# Altium PCB Mod_01.PcbDoc
Units mil, origin at the board's own origin, x right, y up, seen from the top; angles counter-clockwise.
Board outline 2900 x 2940 mil, 2 copper layers (Top Layer, Bottom Layer); 11 components, 8 nets, 73 pads, 4 vias.
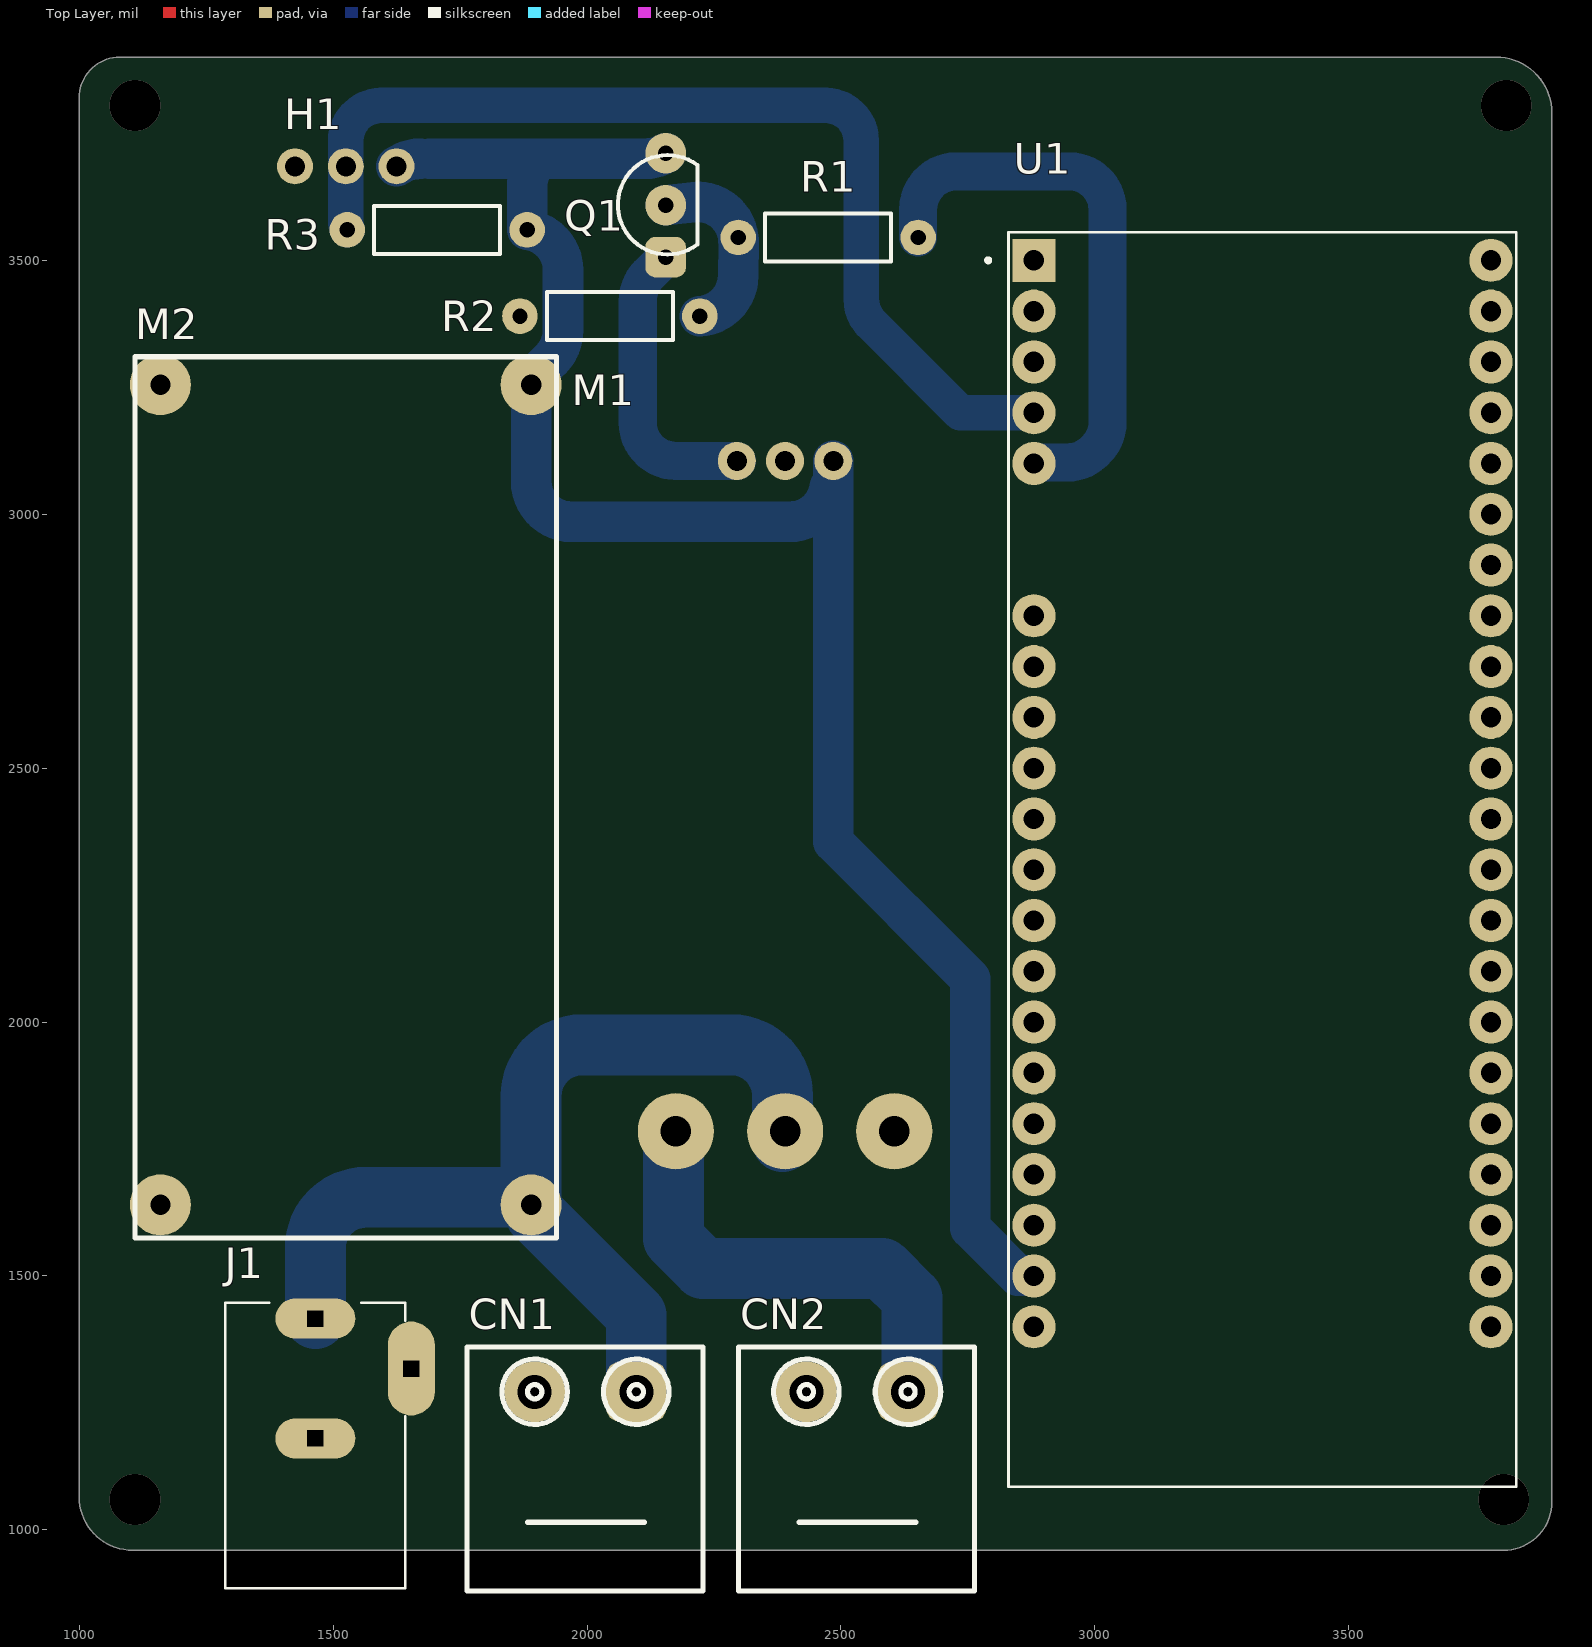
[diagram p0: Top Layer view]
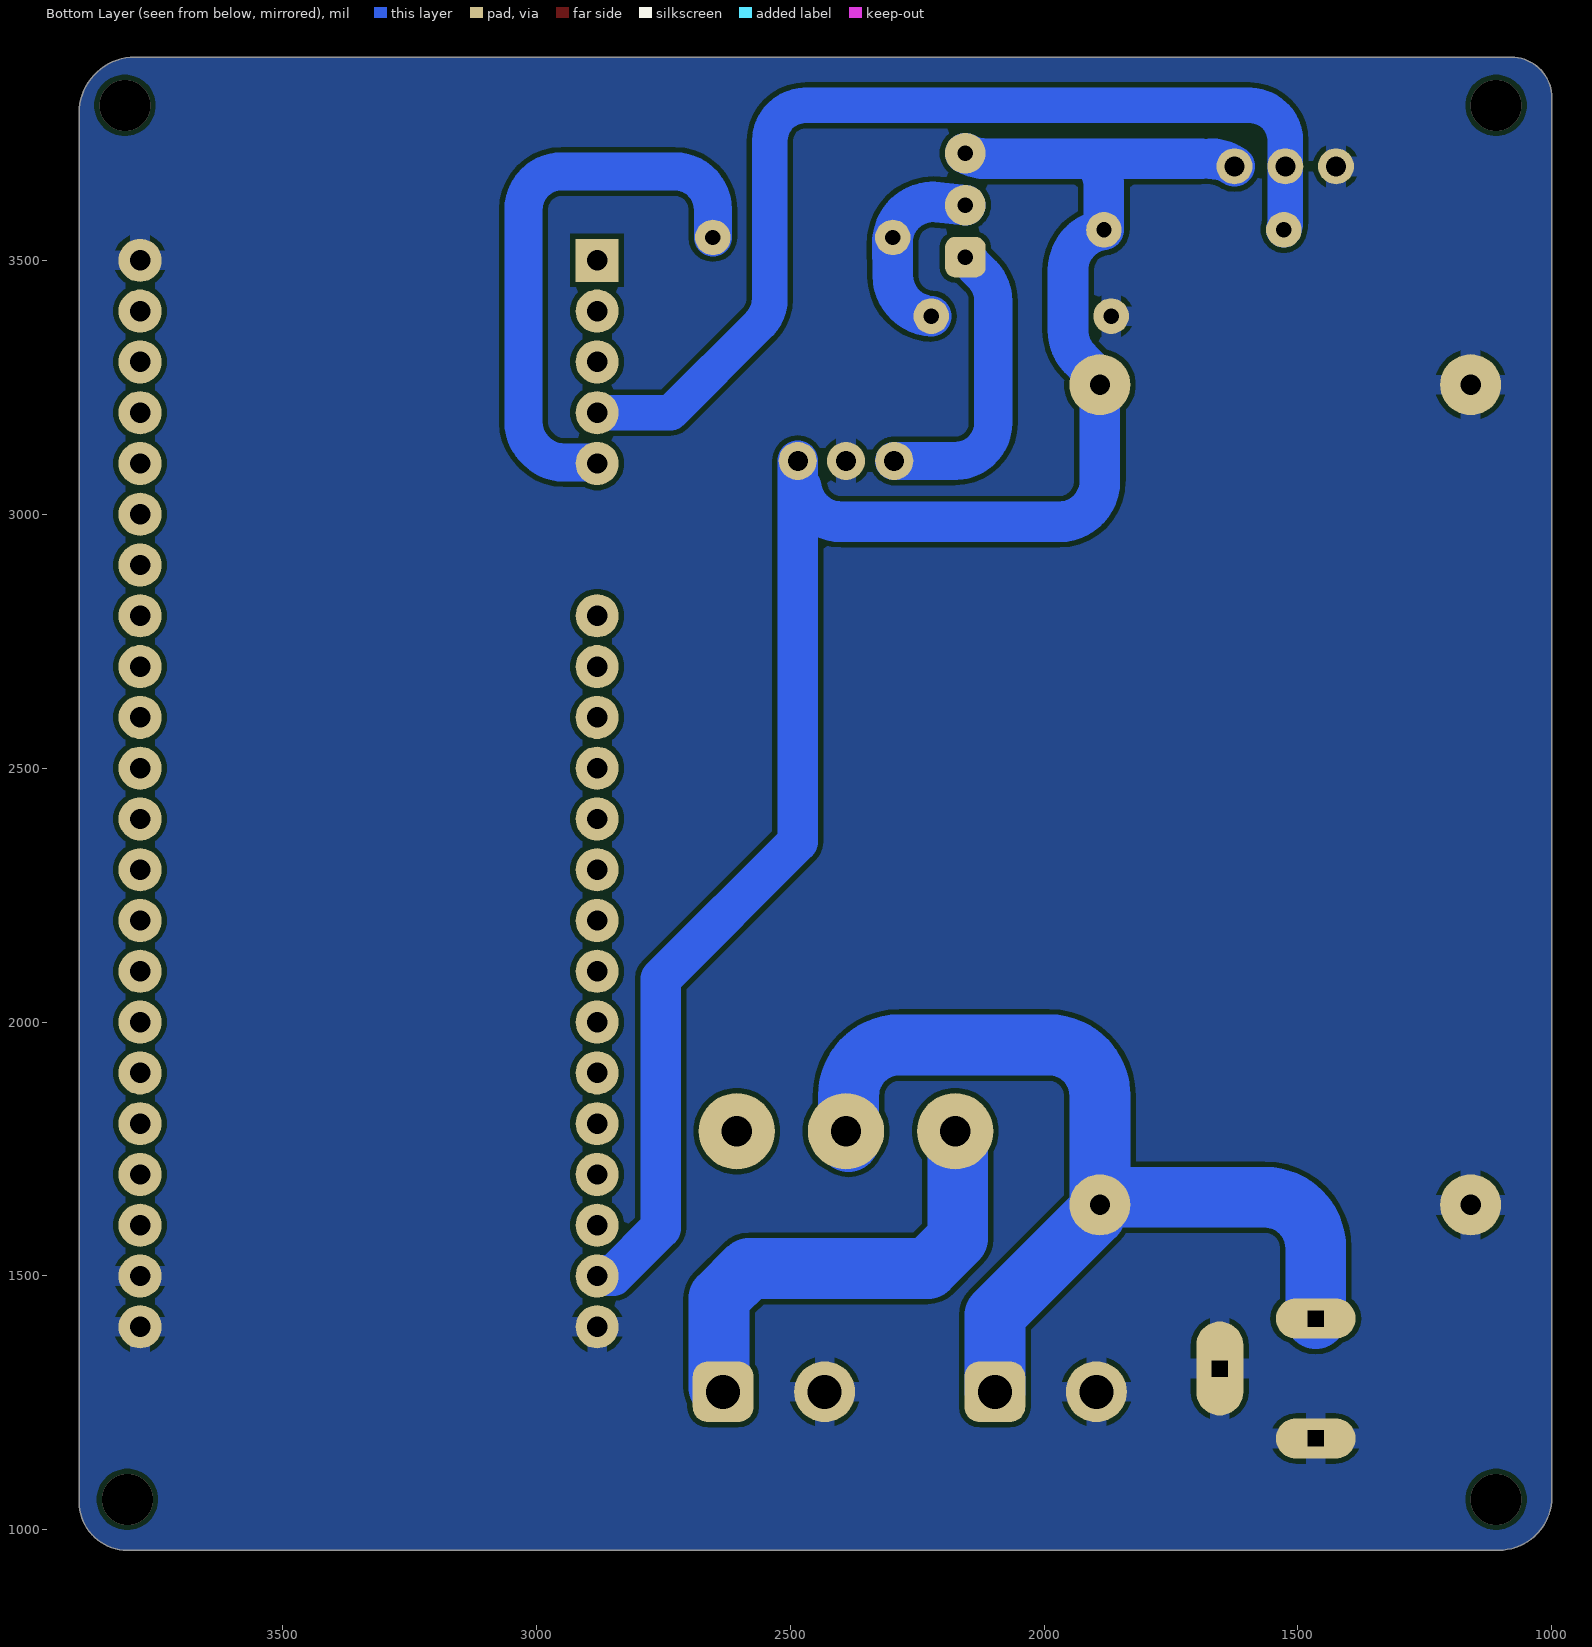
[diagram p1: Bottom Layer view, seen from below]
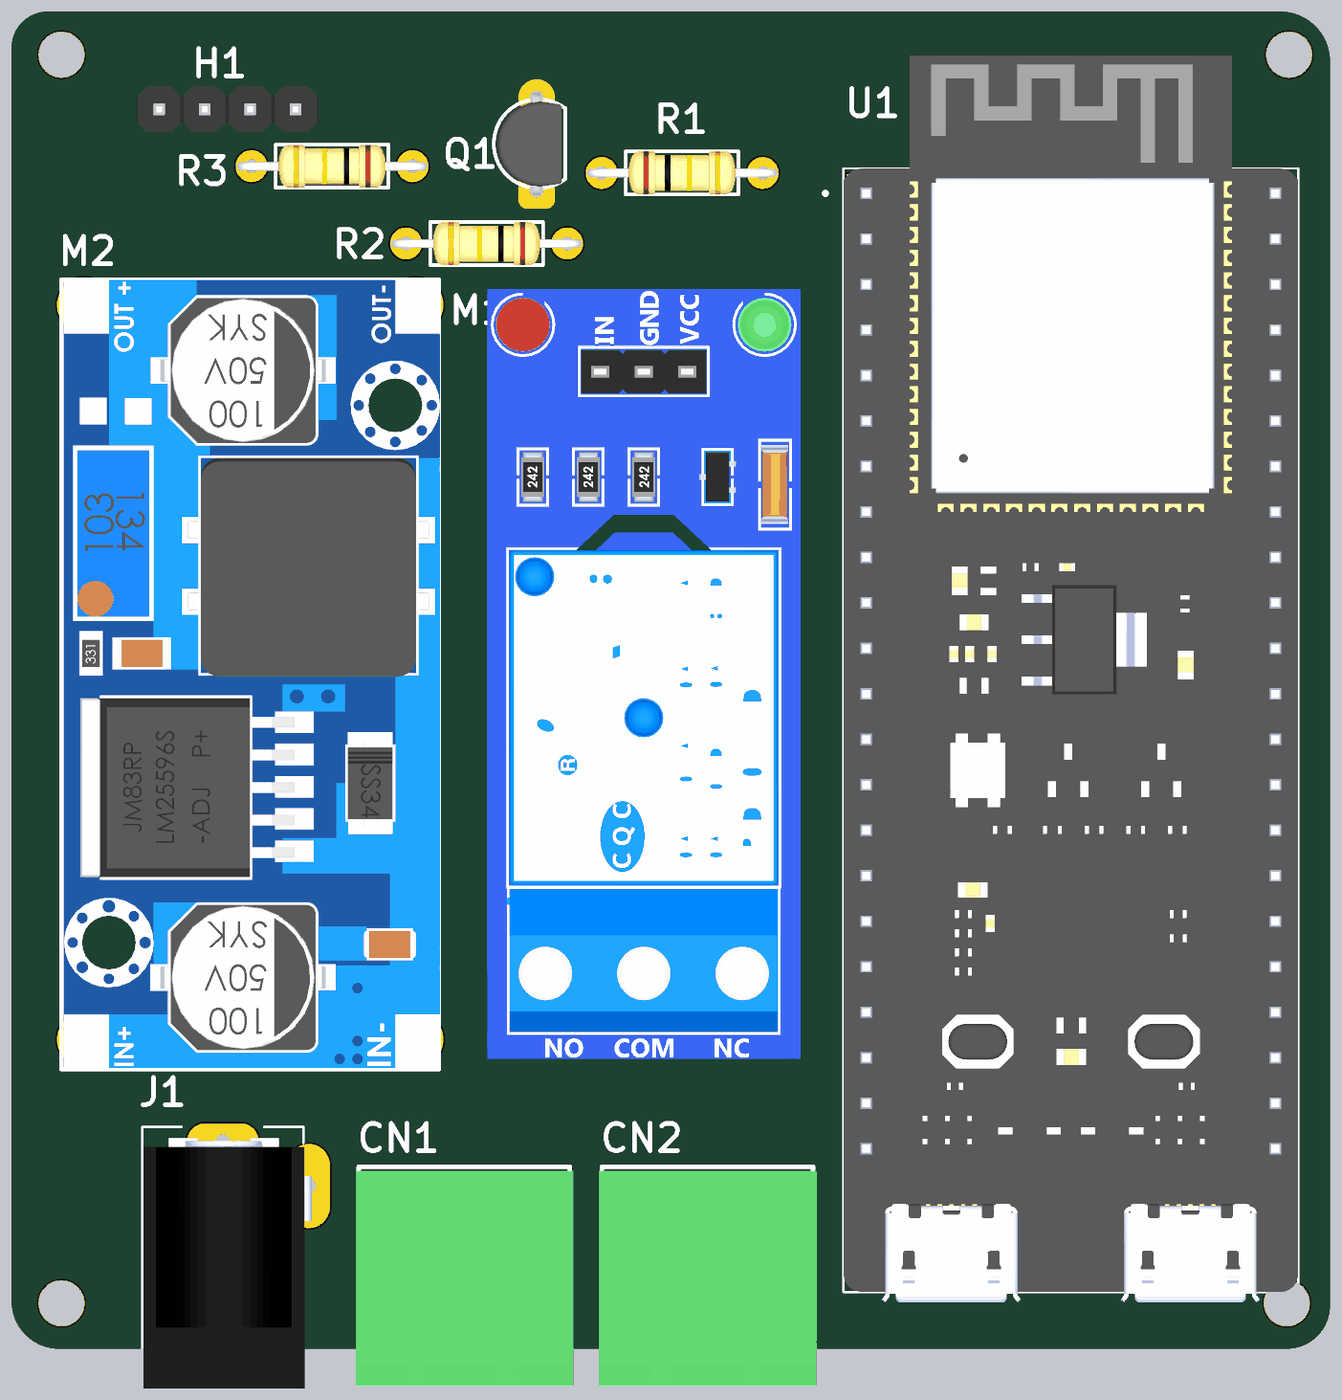
[diagram p2: 3D render of the assembled board from above, using the file's embedded part models]

## Layer stack, top to bottom
Top Solder: solder mask 0.4, Solder Resist, Dk 3.5
Top Layer: signal copper 1.4
Dielectric 1: dielectric 12.6, FR-4, Dk 4.8
Bottom Layer: signal copper 1.4
Bottom Solder: solder mask 0.4, Solder Resist, Dk 3.5

## Board outline
1105,960 3805,960 ccw(c3805,1055) 3900,1055 3900,3790 ccw(c3790,3790) 3790,3900 1080,3900 ccw(c1080,3820) 1000,3820 1000,1065 ccw(c1105,1065)

## Design rules (kind name [scope] priority, off if disabled: settings)
Clearance GND [InNamedPolygon('GND_1')] p1: gap=10 ignorepadtopadclearanceinfootprint=FALSE
Clearance [All] p2: gap=10 ignorepadtopadclearanceinfootprint=FALSE
PolygonConnect GND_3 [All vs IsNamedPolygon('GND_1')] p1: connectstyle=Relief reliefconductorwidth=40 reliefentries=4 polygonreliefangle="90 Angle" airgapwidth=10
PolygonConnect GND_2 [All] p2: connectstyle=Relief reliefconductorwidth=40 reliefentries=4 polygonreliefangle="90 Angle" airgapwidth=10
PolygonConnect GND_ [All vs IsNamedPolygon('GND_1')] p3: connectstyle=Relief reliefconductorwidth=10 reliefentries=4 polygonreliefangle="90 Angle" airgapwidth=10
PolygonConnect GND_1 [All vs IsNamedPolygon('GND_1')] p4: connectstyle=Relief reliefconductorwidth=40 reliefentries=4 polygonreliefangle="90 Angle" airgapwidth=10
PolygonConnect [All] p5: connectstyle=Relief reliefconductorwidth=10 reliefentries=4 polygonreliefangle="90 Angle" airgapwidth=10
RoutingVias [All] p1: holewidth=28 width=50 viastyle="Through Hole" minholewidth=28 minwidth=50 maxholewidth=28 maxwidth=50
SolderMaskExpansion [All] p1: expansion=4 istentingtop=FALSE
SupplyNets "Schematic Supply Nets_3" [InNet('+5')] p1: voltage=0.000
SupplyNets "Schematic Supply Nets_1" [InNet('+12')] p2: voltage=0.000
SupplyNets "Schematic Supply Nets" [InNet('GND')] p3: voltage=0.000
Width [All] p1: maxlimit=150 minlimit=10 preferedwidth=78 minimp=50.000000 maximp=50.000000 favimp=50.000000
30 further rules are at their usual default settings.

## Components (designator, comment, footprint, x,y, rotation, side; value= is the part's Value field where it differs from the comment)
CN1 "WJ2EDGRC-5.08-2P" "Terminal Block P5.08-2P" 1995,1115 r0 top
CN2 "WJ2EDGRC-5.08-2P" "Terminal Block P5.08-2P" 2530,1115 r0 top
H1 "Header 1x3" "Header 1x3 male" 1525,3685 r180 top
J1 "DC-005" NINIGI_DC-005 1465,1317.8 r90 top
M1 "Relay Mod" "Relay Mod1" 2735,3290 r270 top
M2 "LM2596" "LM2596 Mod" 1110,1585 r270 top
Q1 "2N2222" FP-JAN2N2222A-MFG 2140.04,3608.55 r180 top
R1 "1k" RESA60-630X240 2475,3545 r180 top
R2 "10k" RESA60-630X240 2045,3390 r0 top
R3 "4.7k" RESA60-630X240 1705,3560 r0 top
U1 "ESP32-S3-DEVKITC-1-N8R2" XCVR_ESP32-S3-DEVKITC-1-N8R2 3330,2320 r0 top

## Footprints (in the part's own frame and the unit in brackets; to place one, negate y for a bottom-side part, rotate by r counter-clockwise, add the part's x,y. Pads: shape width x height; smd on the part's side, far side on the other; paste and mask are expansions set on the pad)
FP-JAN2N2222A-MFG [mil]
  rrect50% 80x80 hole 30 paste-99999 mask+0: 1(-14.96,102.36)
  round 80 hole 30 paste-99999 mask+0: 2(-14.96,0) 3(-14.96,-102.36)
  silkscreen extent -78,-99 79,97, body extent -86,-135 86,135, height 10
"Header 1x3 male" [mm]
  round 1.8 hole 1: 1(-2.54,0) 2(0,0) 3(2.54,0)
  body extent -3.81,-1.27 6.35,1.27, height 8.6
"LM2596 Mod" [mil]
  round 120 hole 40: 1(-55,780) 2(-55,50) 3(-1670,50) 4(-1670,780)
  silkscreen extent -1725,0 10,830, body extent -1725,6 8,833, height 570
NINIGI_DC-005 [mm]
  oval 4.7x2.35 hole 0.8 square: 2(0,-4.8)
  oval 2x4 hole 0.8 square: 3(-3.5,0) 4(2.5,0)
  silkscreen extent -11,-4.5 3.3,4.5, body extent -11.3,-4.95 2.7,4.45, height 10.83
"Relay Mod1" [mil]
  round 75 hole 39.37: 1(185,-250) 2(185,-345) 3(185,-440)
  round 150 hole 60: 4(1505,-560) 5(1505,-345) 6(1505,-130)
  body extent 0,-689 1693,0, height 676
RESA60-630X240 [mil] "Axial Resistor, 2-Leads, Dia 2.4mm, Body Length 6.3mm"
  round 70 hole 30: 1(-177.17,0) 2(177.17,0)
  silkscreen extent -124,-47 124,47, body extent -210,-48 210,47, height 97
"Terminal Block P5.08-2P" [mil]
  round 120 hole 66.93 paste-99999 mask+2: 1(-98,157)
  rrect50% 120x120 hole 66.93 paste-99999 mask+2: 2(102,157)
  silkscreen extent -231,-235 233,245, body extent -238,-236 241,236, height 335
XCVR_ESP32-S3-DEVKITC-1-N8R2 [mil]
  rect 85x85 hole 40.16: J1_1(-450,1179.92)
  round 85 hole 40.16: J1_2(-450,1079.92) J1_3(-450,979.92) J1_4(-450,879.92) J1_5(-450,779.92) J1_8(-450,479.92) J1_9(-450,379.92) J1_10(-450,279.92) J1_11(-450,179.92) J1_12(-450,79.92) J1_13(-450,-20.08) J1_14(-450,-120.08) J1_15(-450,-220.08) J1_16(-450,-320.08) J1_17(-450,-420.08) J1_18(-450,-520.08) J1_19(-450,-620.08) J1_20(-450,-720.08) J1_21(-450,-820.08) J1_22(-450,-920.08) J3_1(450,1179.92) J3_2(450,1079.92) J3_3(450,979.92) J3_4(450,879.92) J3_5(450,779.92) J3_6(450,679.92) J3_7(450,579.92) J3_8(450,479.92) J3_9(450,379.92) J3_10(450,279.92) J3_11(450,179.92) J3_12(450,79.92) J3_13(450,-20.08) J3_14(450,-120.08) J3_15(450,-220.08) J3_16(450,-320.08) J3_17(450,-420.08) J3_18(450,-520.08) J3_19(450,-620.08) J3_20(450,-720.08) J3_21(450,-820.08) J3_22(450,-920.08)
  round 85 on Mech1: J1_6(-450,679.92) J1_7(-450,579.92)
  silkscreen extent -544,-1235 500,1235, body extent -500,-1258 500,1483, height 291

## Part data
CN1 CN2: Color=Green, JLCPCB Part Class="Extended Part", LCSC Part Name="5.08mm 1x2P 排数:1 每排P数:2", Manufacturer=KANGNEX(康奈克斯电气), Add into BOM=yes, Connector Type=板端/Receptacle-Close, Convert to PCB=yes, Datasheet=https://atta.szlcsc.com/upload/public/pdf/source/20191225/C3697_6E7B45CD3FD3DA2CDF6A2CE707235E10.pdf, Device=WJ2EDGRC-5.08-2P, Manufacturer Part=WJ2EDGRC-5.08-2P, Mounting Style=Bend, Number of Pins=2P, Number of PINs Per Row=2, Number of Rows=1, Pitch=5.08mm, Structure=1x2P, Supplier=LCSC, Supplier Footprint=弯插,P=5.08mm, Supplier Part=C3697, Symbol=WJ2EDGRC-5.08-2P
J1: "DC Jack", Package=None, Availability=Unavailable, MP=DC-005, Price=None
M2: library part "LM2596 Mod"
Q1: library part CMP-06366-000013-1, "TRANS NPN 50V 0.8A TO218"
R1 R2: library part CMP-1659-00075-1, "Axial Resistor,", Case\Package=Axial, Max Operating Temperature="155 degC", Min Operating Temperature="-55 degC", Package Quantity=200, Power Rating="250 mW", Resistance="1 kohm", Tolerance=1%, Voltage Rating="250 V", ComponentLink1Description="Manufacturer URL", ComponentLink1URL=http://www.yageo.com/, ComponentLink2Description=Datasheet, ComponentLink2URL=http://www.yageo.com/documents/recent/Yageo%20LR_MFR_2013.pdf, DatasheetVersion=Apr-13, Length="0.248 inch", PackageDescription="2-Pin Axial Lead, Dia 2.4 mm, Body Length 6.3 mm", PackageReference=MFR-25, Packaging=Bulk, RoHSCompliant=true
R3: library part CMP-1659-00075-1_1, "Axial Resistor,", Case\Package=Axial, Max Operating Temperature="155 degC", Min Operating Temperature="-55 degC", Package Quantity=200, Power Rating="250 mW", Resistance="1 kohm", Tolerance=1%, Voltage Rating="250 V", ComponentLink1Description="Manufacturer URL", ComponentLink1URL=http://www.yageo.com/, ComponentLink2Description=Datasheet, ComponentLink2URL=http://www.yageo.com/documents/recent/Yageo%20LR_MFR_2013.pdf, DatasheetVersion=Apr-13, Length="0.248 inch", PackageDescription="2-Pin Axial Lead, Dia 2.4 mm, Body Length 6.3 mm", PackageReference=MFR-25, Packaging=Bulk, RoHSCompliant=true
U1: "WiFi Development Tools - 802.11 (Engineering Samples Only) ESP32-S3 General-Purpose Development Board, ESP32-S3-WROOM-1-N8R2, with Pin Header", Package=None, Check_prices=https://www.snapeda.com/parts/ESP32-S3-DEVKITC-1-N8R2/Espressif+Systems/view-part/?ref=eda, MF="Espressif Systems", MP=ESP32-S3-DEVKITC-1-N8R2, SnapEDA_Link=https://www.snapeda.com/parts/ESP32-S3-DEVKITC-1-N8R2/Espressif+Systems/view-part/?ref=snap

## Via types
v1: diameter 100/100 (per signal layer), hole 100, Top Layer to Bottom Layer, 4 vias

## Nets (pads, with @x,y where several pads share a name; then routed paths per layer and width w, separated by ;. In a path a pad name is that pad's centre, name@x,y a point inside that pad or via, vN(x,y) a via of type N, cw(c..) or ccw(c..) an arc to the next point about the centre after c; other vN are vias at no path point)
+5: H1.1 M1.1 M2.4 Q1.3 R3.2 U1.J1_21 | length 3670.8
  Bottom Layer w80: H1.1 cw(c1671.64,3620) 1671.64,3700 ; 1690.2,3700 2114.66,3700 ccw(c2114.66,3780) Q1.3 ; R3.2 1882.17,3644.16 cw(c1962.17,3644.03) 1905,3700 ; R3.2 cw(c1872.83,3480.55) 1952.83,3480.55 1952.83,3362.19 cw(c1872.83,3362.32) 1949.14,3338.29 1948.9,3337.53 cw(c1872.6,3361.56) 1929.28,3305.1 1913.41,3289.23 ccw(c1970,3232.69) 1901.55,3274.09 M2.4 1890,3064.93 ccw(c1970,3065) 1970,2985 2398.85,2985 ccw(c2398.85,3065) 2478.13,3054.27 ; M1.1 2485,3054.27 2485,2355 2755,2085 2755,1594.11 2848.23,1500.88 2879.04,1500.88 U1.J1_21
+12: CN1.2 J1.4 M1.5 M2.1 | length 1967.4
  Bottom Layer w100: M2.1@1837.46,1655 cw(c1837.32,1555) M2.1
  Bottom Layer w120: J1.4 1465,1555 cw(c1565,1555) 1565,1655 M2.1@1837.46,1655 ; M2.1 1890,1855 cw(c1990,1855) 1990,1955 2285,1955 cw(c2285,1855) 2385,1855 M1.5@2385,1765 ; M2.1@1900,1620 2097,1423 CN1.2
GND: CN1.1 CN2.1 H1.3 J1.2 J1.3 M1.2 M2.2 M2.3 R2.1 U1.J1_22 U1.J3_1 U1.J3_21 U1.J3_22
heater: CN2.2 M1.4 | length 897.7
  Bottom Layer w100: CN2.2 CN2.2@2640,1280
  Bottom Layer w120: M1.4@2170,1765 2170,1573.58 2228.58,1515 2581.42,1515 2640,1456.42 CN2.2@2640,1280
NetM1_3: M1.3 Q1.1 | length 583.6
  Bottom Layer w75: Q1.1 2121.94,3473.13 ccw(c2175,3420.13) 2100,3420.13 2100,3180 ccw(c2175,3180) 2175,3105 M1.3
NetQ1_2: Q1.2 R1.2 R2.2 | length 375.8
  Bottom Layer w80: Q1.2 2209.74,3614.56 cw(c2218.46,3535.03) 2297.81,3545.17 R1.2 cw(c2218.48,3534.86) 2298.47,3533.91 2297.7,3468.93 cw(c2217.71,3469.88) R2.2
relay: R1.1 U1.J1_5 | length 1122.1
  Bottom Layer w75: R1.1 2652.17,3600 cw(c2727.17,3600) 2727.17,3675 2950,3675 cw(c2950,3600) 3003.03,3653.03 ; U1.J1_5 cw(c2896.83,3026.83) 2896.83,3101.83 2945.77,3101.83 ccw(c2945.77,3176.83) 2998.77,3123.77 3003.06,3128.06 ccw(c2950,3181.07) 3025,3181.07 3025,3600.12 ccw(c2950,3600) 3003.06,3653
temp_sensor: H1.2 R3.1 U1.J1_4 | length 2028.1
  Bottom Layer w70: R3.1 cw(c1594.83,3580.27) 1524.83,3580.27 1524.83,3685.02 cw(c1569.83,3684.93) 1524.85,3686.23 1524.83,3686.39 1524.83,3735.11 cw(c1594.83,3735) 1594.83,3805 2470,3805 cw(c2470,3735) 2540,3735.02 2540.08,3423.89 ccw(c2610.08,3423.91) 2560.5,3374.5 2735.08,3199.92 U1.J1_4
pads on no net: M1.6 U1.J1_1 U1.J1_2 U1.J1_3 U1.J1_6 U1.J1_7 U1.J1_8 U1.J1_9 U1.J1_10 U1.J1_11 U1.J1_12 U1.J1_13 U1.J1_14 U1.J1_15 U1.J1_16 U1.J1_17 U1.J1_18 U1.J1_19 U1.J1_20 U1.J3_2 U1.J3_3 U1.J3_4 U1.J3_5 U1.J3_6 U1.J3_7 U1.J3_8 U1.J3_9 U1.J3_10 U1.J3_11 U1.J3_12 U1.J3_13 U1.J3_14 U1.J3_15 U1.J3_16 U1.J3_17 U1.J3_18 U1.J3_19 U1.J3_20
copper on no net:
  other v1: 1110,1060 3805,1060 1110,3805 3810,3805

## Polygon pours and split planes (outlines as drawn)
GND on Bottom Layer "GND_1" (solid, remove dead copper, pour order 1): 1105,960 3805,960 ccw(c3805,1055) 3900,1055 3900,3790 ccw(c3790,3790) 3790,3900 1080,3900 ccw(c1080,3820) 1000,3820 1000,1065 ccw(c1105,1065)